# Altium PCB Digital_Optical_18Tx_14Tx4Rx_3vxx.PcbDoc (part 1 of 2)
Units mil, origin at the board's own origin, x right, y up, seen from the top; angles counter-clockwise.
Board outline 6141.5 x 3937.01 mil, 2 copper layers (Top Layer, Bottom Layer); 183 components, 118 nets, 645 pads, 188 vias.
Unrouted connection lines stored in the file: 142.
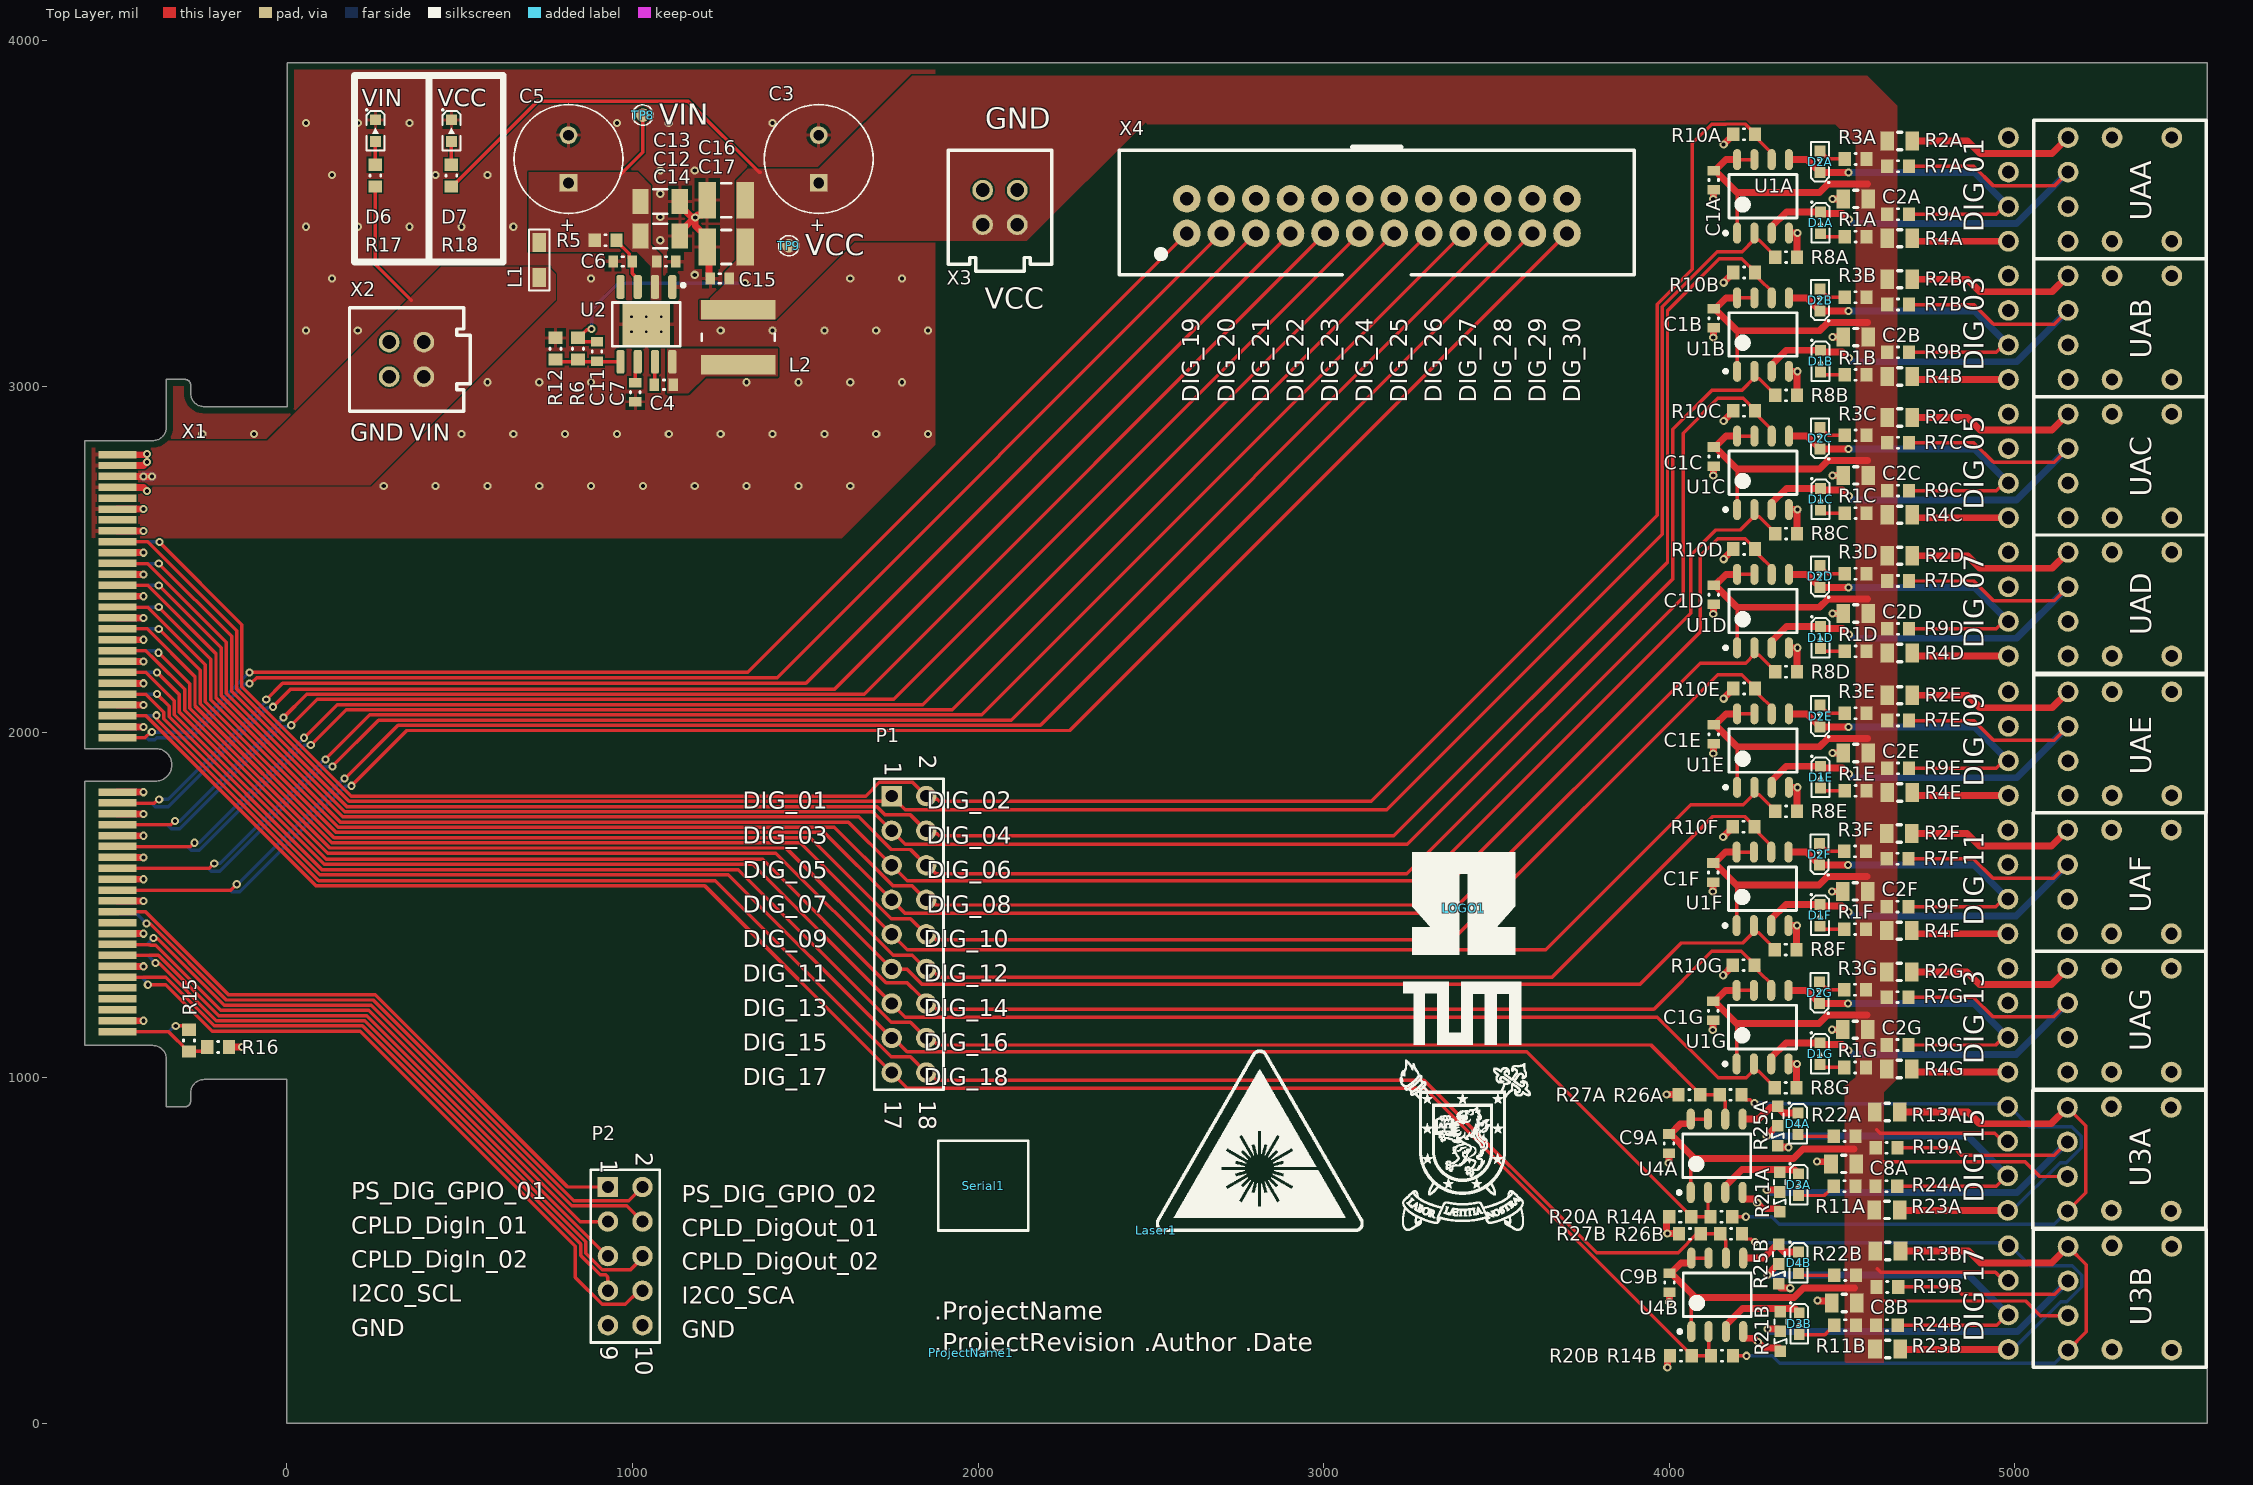
[diagram p0: Top Layer view]
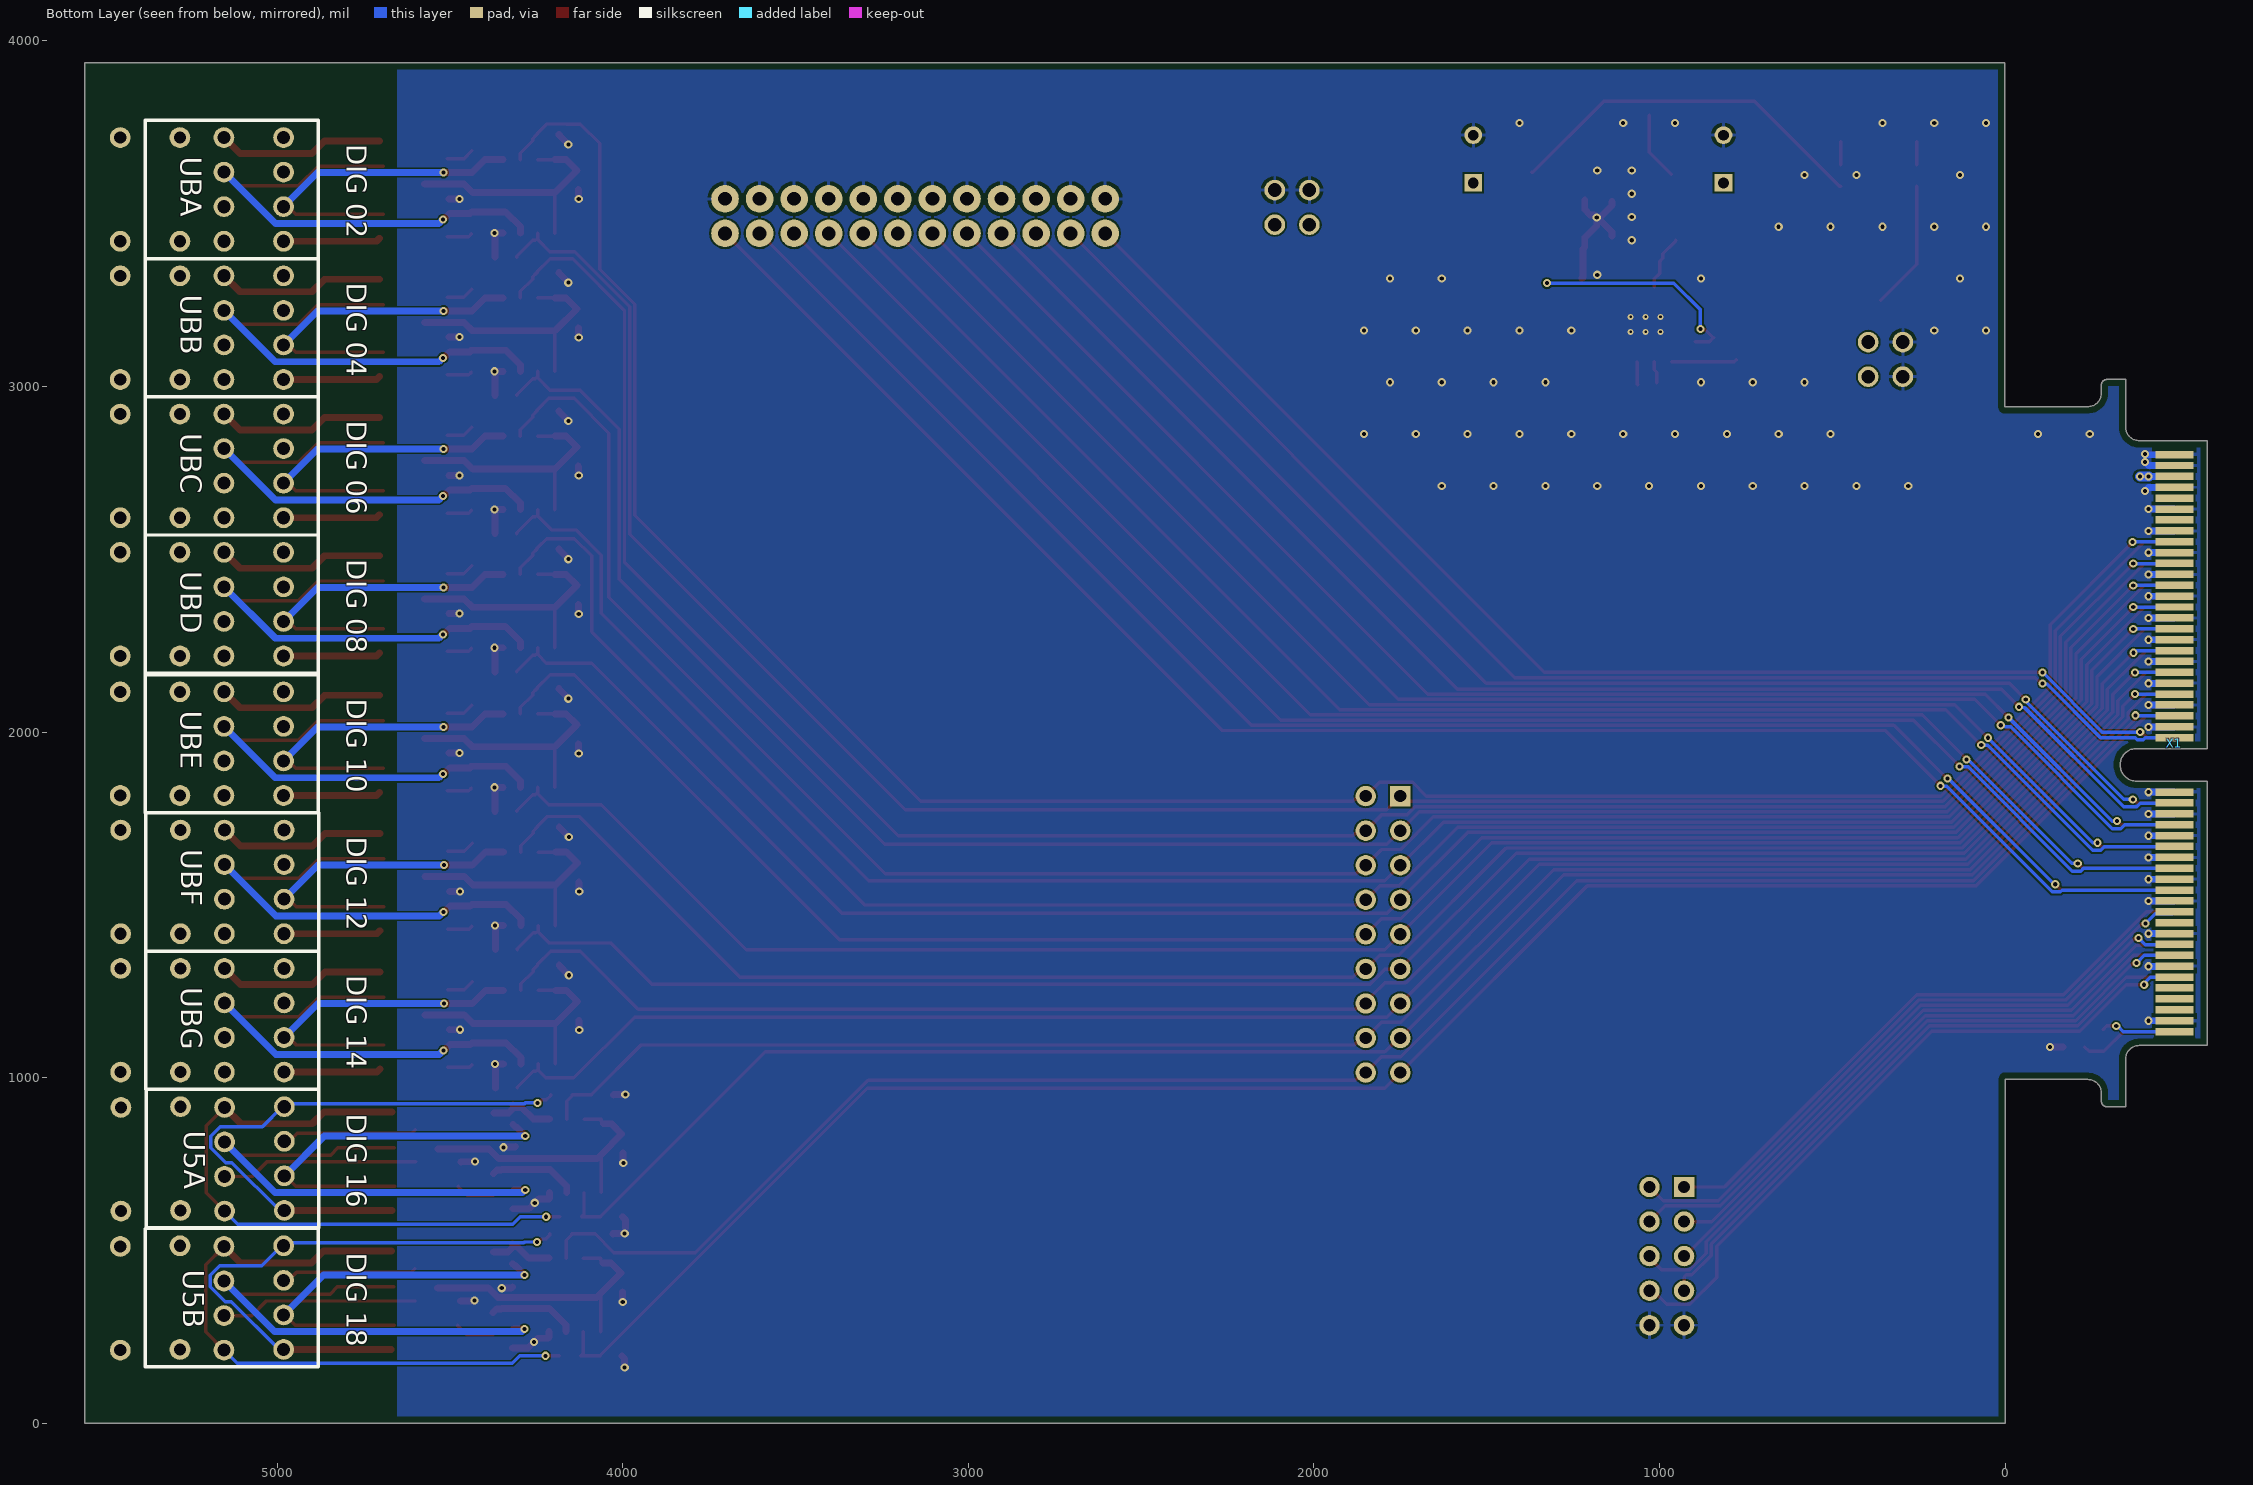
[diagram p1: Bottom Layer view, seen from below]
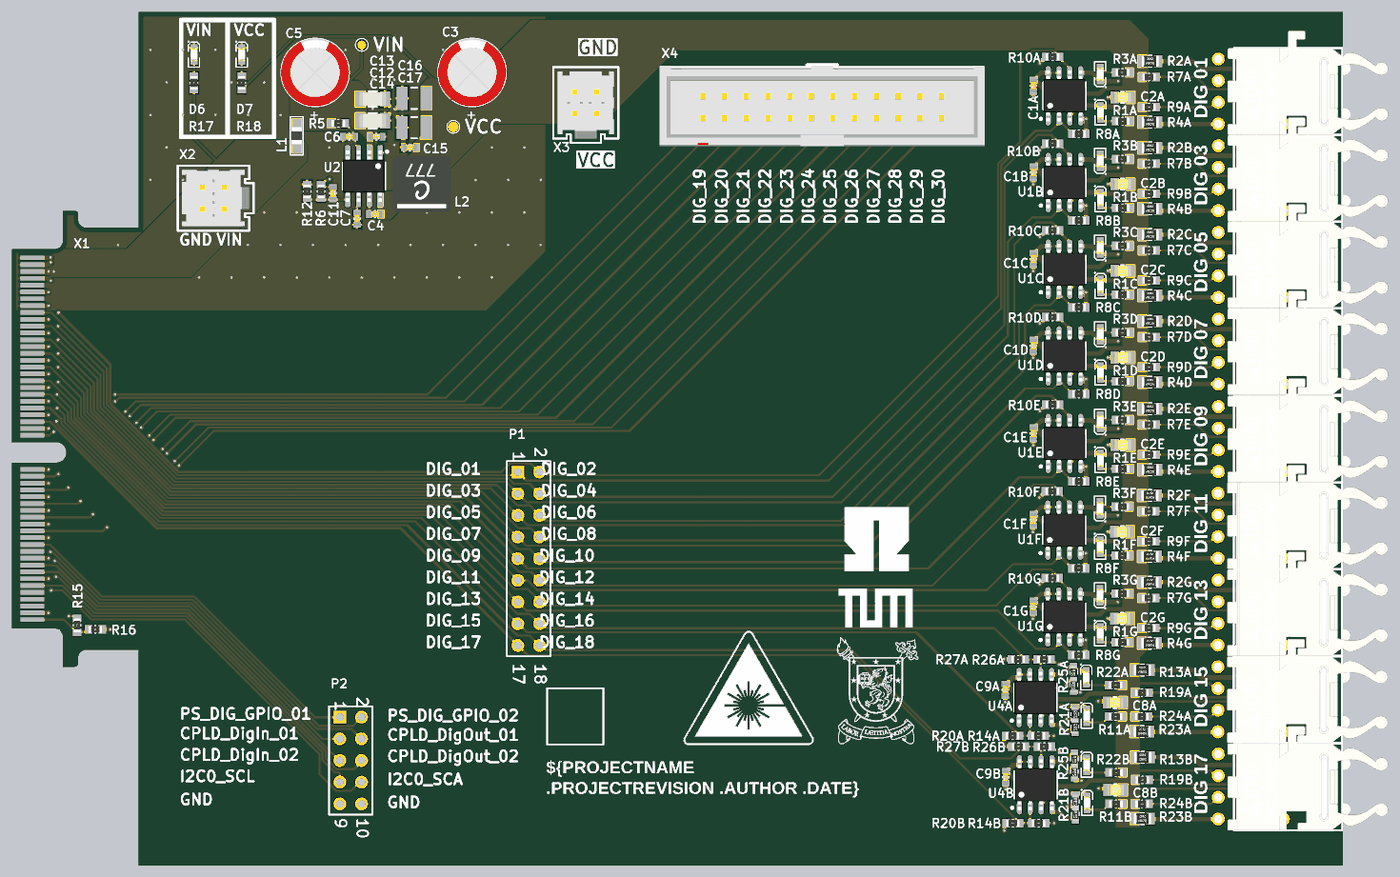
[diagram p3: 3D render of the assembled board from above, using the file's embedded part models]
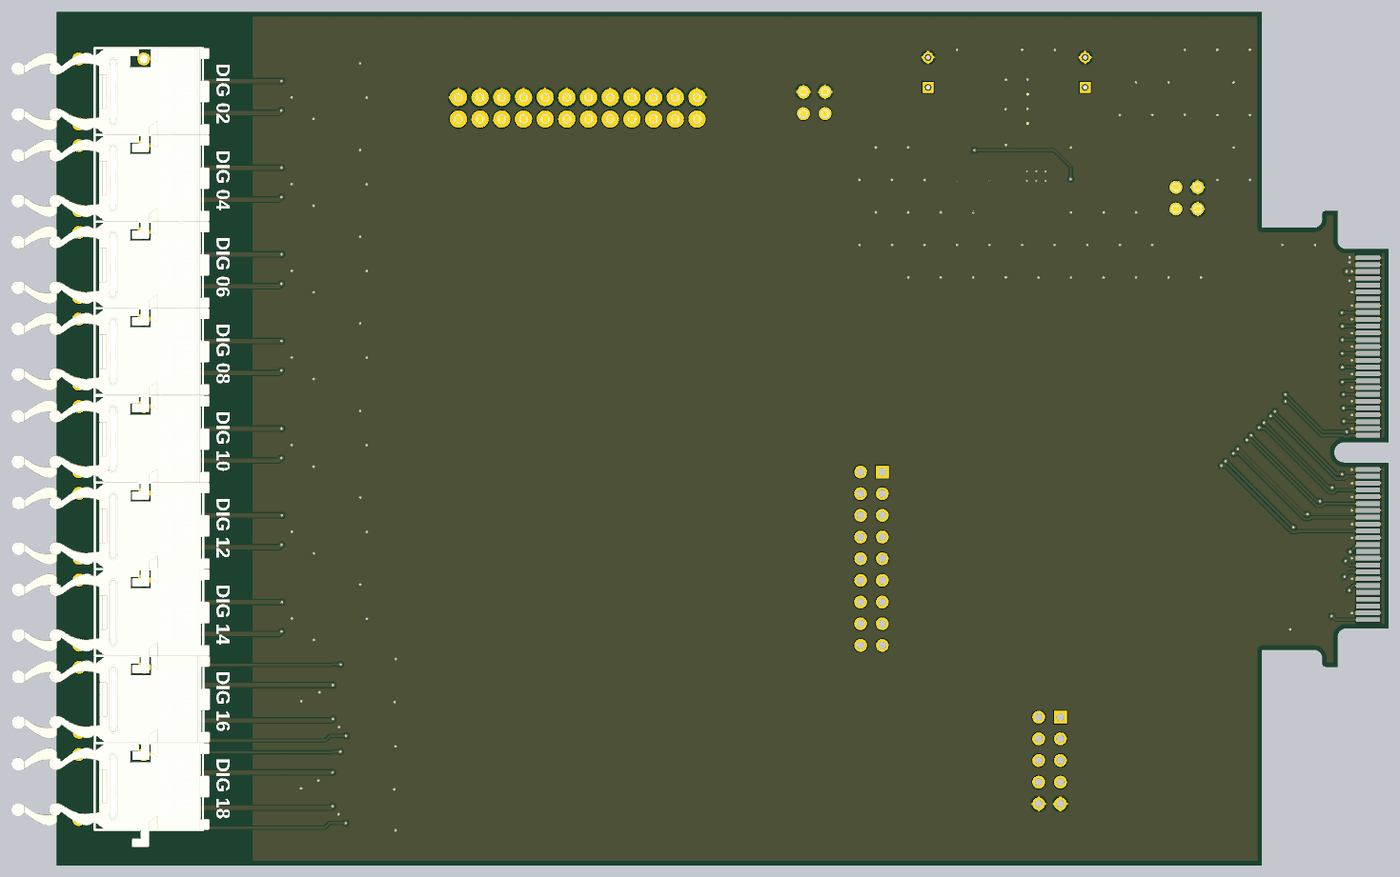
[diagram p4: 3D render of the assembled board from below, using the file's embedded part models]

## Layer stack, top to bottom
Top Solder: solder mask 0.4, Solder Resist, Dk 3.5
Top Layer: signal copper 1.4
Dielectric 1: dielectric 12.6, FR-4, Dk 4.8
Bottom Layer: signal copper 1.4
Bottom Solder: solder mask 0.4, Solder Resist, Dk 3.5

## Board outline
-584.76,1093.5 -387.91,1093.5 cw(c-387.91,1054.13) -348.54,1054.13 -348.54,916.34 -294.21,916.34 ccw(c-294.21,932.09) -278.46,932.09 -278.46,955.71 cw(c-239.09,955.71) -239.09,995.08 0,995.08 0,0 5556.73,0 5556.73,3937.01 1.24,3937.01 1.24,2941.93 -239.09,2941.93 cw(c-239.09,2981.3) -278.46,2981.3 -278.46,3004.92 ccw(c-294.21,3004.92) -294.21,3020.67 -348.54,3020.67 -348.54,2882.87 cw(c-387.91,2882.87) -387.91,2843.5 -584.76,2843.5 -584.76,1952.76 -380.04,1952.76 cw(c-380.04,1905.51) -380.04,1858.27 -584.76,1858.27

## Design rules (kind name [scope] priority, off if disabled: settings)
BoardOutlineClearance [All] p1: gap=20 ignorepadtopadclearanceinfootprint=FALSE except(0: Arc-OutlineEdge Arc-CavityEdge Arc-CutoutEdge Arc-SplitBarrior Arc-SplitContinuation Track-OutlineEdge Track-CavityEdge Track-CutoutEdge Track-SplitBarrior Track-SplitContinuation Region-OutlineEdge Region-CavityEdge Region-CutoutEdge Region-SplitBarrior Region-SplitContinuation Text-OutlineEdge Text-CavityEdge Text-CutoutEdge Text-SplitBarrior Text-SplitContinuation)
Clearance [All] p1: gap=5 ignorepadtopadclearanceinfootprint=FALSE
HoleSize [All] p1: absolutevalues=TRUE maxlimit=248.03 minlimit=7.87 maxpercent=80.000 minpercent=20.000
MinimumSolderMaskSliver [All] p1: minsoldermaskwidth=0
PolygonConnect PolygonConnect_GND [InNet('GND')] p1: thpad.connectstyle=Relief thpad.reliefconductorwidth=10 thpad.reliefentries=4 thpad.polygonreliefangle="90 Angle" thpad.airgapwidth=10 smdpad.connectstyle=Relief smdpad.reliefconductorwidth=10 smdpad.reliefentries=4 smdpad.polygonreliefangle="90 Angle" smdpad.airgapwidth=10 via.connectstyle=Direct via.reliefconductorwidth=10 via.reliefentries=4 via.polygonreliefangle="90 Angle" via.airgapwidth=10
PolygonConnect [All] p2: connectstyle=Direct reliefconductorwidth=10 reliefentries=4 polygonreliefangle="90 Angle" airgapwidth=10
RoomDefinition Power [InComponentClass('Power')] p1: confinementstyle=ConfineIn formatcopy=TRUE lockcomponents=FALSE outline 165.28,2912.49 2145.28,2912.49 2145.28,3872.49 165.28,3872.49
RoomDefinition TX_PWM2 [InComponentClass('TX_PWM2')] p2: confinementstyle=ConfineIn formatcopy=TRUE lockcomponents=FALSE outline 4096.16,3141.33 4096.16,3253.85 4143.06,3253.85 4143.06,3307.16 4146.51,3307.16 4146.51,3370.61 4841.25,3370.61 4841.25,3385.5 5014.01,3385.5 5014.01,3460.47 5774.13,3460.47 5774.13,2955.5 5601.37,2955.5 5601.37,2880.54 4841.25,2880.54 4841.25,2934.13 4268.35,2934.13 4268.35,2993.85 4143.06,2993.85 4143.06,3141.33
RoomDefinition TX_PWM7 [InComponentClass('TX_PWM7')] p3: confinementstyle=ConfineIn formatcopy=TRUE lockcomponents=FALSE outline 4094.78,1137.31 4094.78,1249.83 4141.69,1249.83 4141.69,1303.14 4145.13,1303.14 4145.13,1366.59 4839.88,1366.59 4839.88,1381.49 5012.63,1381.49 5012.63,1456.45 5772.75,1456.45 5772.75,951.49 5599.99,951.49 5599.99,876.53 4839.88,876.53 4839.88,930.12 4266.97,930.12 4266.97,989.83 4141.69,989.83 4141.69,1137.31
RoomDefinition TX_PWM6 [InComponentClass('TX_PWM6')] p4: confinementstyle=ConfineIn formatcopy=TRUE lockcomponents=FALSE outline 4094.78,1537.63 4094.78,1650.15 4141.69,1650.15 4141.69,1703.46 4145.13,1703.46 4145.13,1766.91 4839.88,1766.91 4839.88,1781.8 5012.63,1781.8 5012.63,1856.76 5772.75,1856.76 5772.75,1351.8 5599.99,1351.8 5599.99,1276.84 4839.88,1276.84 4839.88,1330.43 4266.97,1330.43 4266.97,1390.15 4141.69,1390.15 4141.69,1537.63
RoomDefinition TX_PWM5 [InComponentClass('TX_PWM5')] p5: confinementstyle=ConfineIn formatcopy=TRUE lockcomponents=FALSE outline 4096.16,1937.63 4096.16,2050.15 4143.06,2050.15 4143.06,2103.46 4146.51,2103.46 4146.51,2166.91 4841.25,2166.91 4841.25,2181.8 5014.01,2181.8 5014.01,2256.77 5774.13,2256.77 5774.13,1751.8 5601.37,1751.8 5601.37,1676.84 4841.25,1676.84 4841.25,1730.43 4268.35,1730.43 4268.35,1790.15 4143.06,1790.15 4143.06,1937.63
RoomDefinition TX_PWM4 [InComponentClass('TX_PWM4')] p6: confinementstyle=ConfineIn formatcopy=TRUE lockcomponents=FALSE outline 4096.16,2341.33 4096.16,2453.85 4143.06,2453.85 4143.06,2507.16 4146.51,2507.16 4146.51,2570.61 4841.25,2570.61 4841.25,2585.5 5014.01,2585.5 5014.01,2660.47 5774.13,2660.47 5774.13,2155.5 5601.37,2155.5 5601.37,2080.54 4841.25,2080.54 4841.25,2134.13 4268.35,2134.13 4268.35,2193.85 4143.06,2193.85 4143.06,2341.33
RoomDefinition TX_PWM1 [InComponentClass('TX_PWM1')] p7: confinementstyle=ConfineIn formatcopy=TRUE lockcomponents=FALSE outline 4096.16,3541.33 4096.16,3653.85 4143.06,3653.85 4143.06,3707.16 4146.51,3707.16 4146.51,3770.61 4841.25,3770.61 4841.25,3785.5 5014.01,3785.5 5014.01,3860.47 5774.13,3860.47 5774.13,3355.5 5601.37,3355.5 5601.37,3280.54 4841.25,3280.54 4841.25,3334.13 4268.35,3334.13 4268.35,3393.85 4143.06,3393.85 4143.06,3541.33
RoomDefinition RX2 [InComponentClass('RX2')] p8: confinementstyle=ConfineIn formatcopy=TRUE lockcomponents=FALSE outline 3963.53,154.98 3963.53,236 3968.2,236 3968.2,463.68 3989.86,463.68 3989.86,588.69 4109.08,588.69 5013.79,588.69 5013.79,651.89 5773.9,651.89 5773.9,146.93 5601.15,146.93 5601.15,73.97 4841.03,73.97 4841.03,154.98
RoomDefinition RX1 [InComponentClass('RX1')] p9: confinementstyle=ConfineIn formatcopy=TRUE lockcomponents=FALSE outline 3961.79,557.36 3961.79,638.38 3966.46,638.38 3966.46,866.06 3988.11,866.06 3988.11,991.07 4107.34,991.07 5012.04,991.07 5012.04,1054.27 5772.16,1054.27 5772.16,549.31 5599.4,549.31 5599.4,476.35 4839.29,476.35 4839.29,557.36
RoomDefinition TX_PWM3 [InComponentClass('TX_PWM3')] p10: confinementstyle=ConfineIn formatcopy=TRUE lockcomponents=FALSE outline 4096.16,2741.33 4096.16,2853.85 4143.06,2853.85 4143.06,2907.16 4146.51,2907.16 4146.51,2970.61 4841.25,2970.61 4841.25,2985.5 5014.01,2985.5 5014.01,3060.47 5774.13,3060.47 5774.13,2555.5 5601.37,2555.5 5601.37,2480.54 4841.25,2480.54 4841.25,2534.13 4268.35,2534.13 4268.35,2593.85 4143.06,2593.85 4143.06,2741.33
RoutingVias [All] p1: holewidth=11.81 width=23.62 viastyle="Through Hole" minholewidth=11.81 minwidth=23.62 maxholewidth=15.75 maxwidth=31.5
SilkToSilkClearance [All] p1: silktosilkclearance=0
SilkToSolderMaskClearance [IsPad] p1: minsilkscreentomaskgap=0 clearancetoexposedcopper=TRUE
SolderMaskExpansion [All] p1: expansion=4 istentingtop=FALSE
Width Width_PWR [InNet('VCC') or InNet('GND') or InNet('VIN')] p1: maxlimit=30 minlimit=5 preferedwidth=20
Width [All] p2: maxlimit=30 minlimit=5 preferedwidth=10
26 further rules are at their usual default settings.

## Classes and differential pairs
net class Signal_B[1..2]: Signal_B1 Signal_B2
net class Signal_A[1..2]: Signal_A1 Signal_A2
channel class Optical_TX: TX_PWM1 TX_PWM2 TX_PWM3 TX_PWM4 TX_PWM5 TX_PWM6 TX_PWM7 TX_PWM8
component class TX_PWM7: C1G C2G D1G D2G R1G R2G R3* R3G R4G R7G R8G R9G R10G U1G UAG UBG
component class TX_PWM6: C1F C2F D1F D2F R1F R2F R3* R3F R4F R7F R8F R9F R10F U1F UAF UBF
component class TX_PWM5: C1E C2E D1E D2E R1E R2E R3* R3E R4E R7E R8E R9E R10E U1E UAE UBE
component class TX_PWM4: C1D C2D D1D D2D R1D R2D R3* R3D R4D R7D R8D R9D R10D U1D UAD UBD
component class TX_PWM3: C1C C2C D1C D2C R1C R2C R3* R3C R4C R7C R8C R9C R10C U1C UAC UBC
component class TX_PWM2: C1B C2B D1B D2B R1B R2B R3* R3B R4B R7B R8B R9B R10B U1B UAB UBB
component class TX_PWM1: C1A C2A D1A D2A R1A R2A R3* R3A R4A R7A R8A R9A R10A U1A UAA UBA
channel class Optical_RX: RX1 RX2 RX3
net class GATE_B[1..7]: GATE_B1 GATE_B2 GATE_B3 GATE_B4 GATE_B5 GATE_B6 GATE_B7
net class GATE_A[1..7]: GATE_A1 GATE_A2 GATE_A3 GATE_A4 GATE_A5 GATE_A6 GATE_A7
component class TopSheet: Laser1 LOGO1 P1 ProjectName1 R3* Serial1 X3 X4
component class RX2: C8B C9B D3B D4B R3* R11B R13B R14B R19B R20B R21B R22B R23B R24B R25B R26B R27B U3B U4B U5B
component class RX1: C8A C9A D3A D4A R3* R11A R13A R14A R19A R20A R21A R22A R23A R24A R25A R26A R27A U3A U4A U5A
component class Power: C3 C4 C5 C6 C7 C11 C12 C13 C14 C15 C16 C17 D6 D7 L1 L2 R3* R5 R6 R12 R17 R18 TP8 TP9 U2 X2
component class Connector: P2 R3* R15 R16 X1
